# Altium PCB Steezy60SMK.PcbDoc (part 1 of 3) (continued)
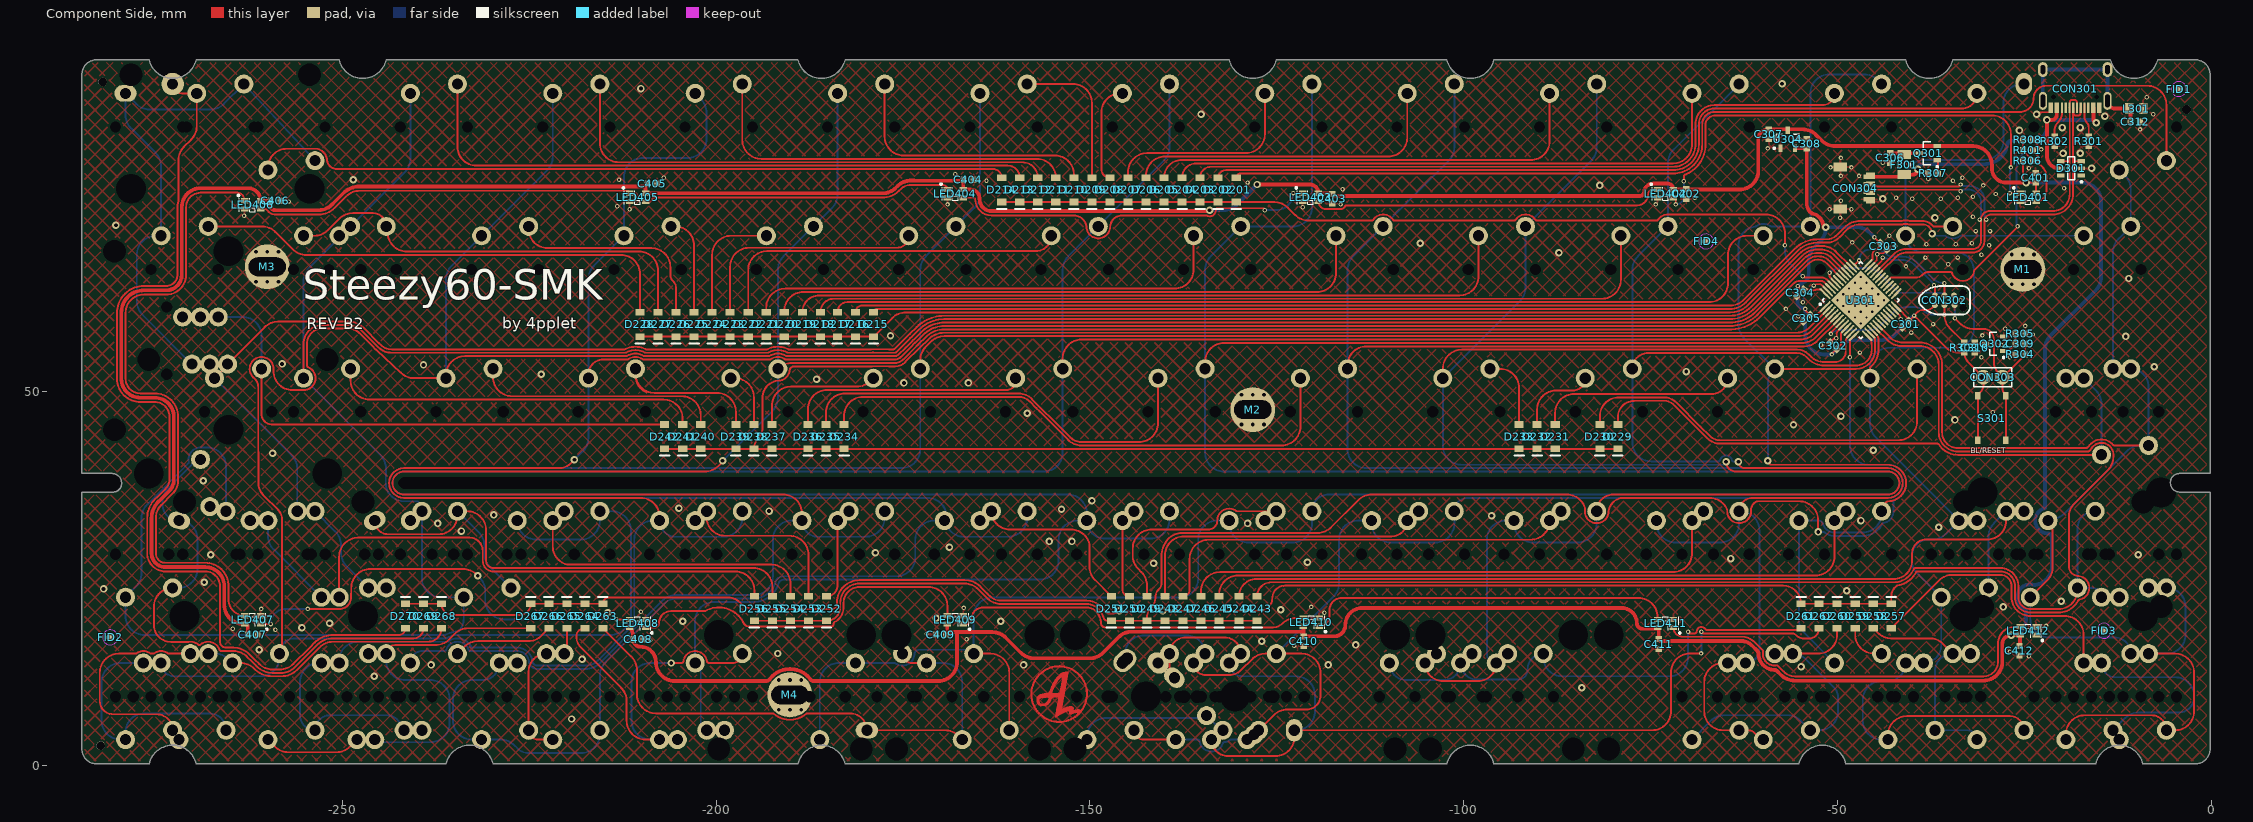
[diagram p0: Component Side view]
## Footprints (in the part's own frame and the unit in brackets; to place one, negate y for a bottom-side part, rotate by r counter-clockwise, add the part's x,y. Pads: shape width x height; smd on the part's side, far side on the other; paste and mask are expansions set on the pad) (continued)
FIDUCIAL_NORDIC [mm]
  round 1 smd paste+0 mask+0.5: 0(0,0)
  Component Side keep-out circle w0.01: c0,0 r1
Fiducial_Nordic [mm]
  round 1 smd paste+0 mask+0.5: 0(0,0)
  Component Side keep-out circle w0.01: c0,0 r1
HDR1X2 [mm] "Connector; Header; 2 Position"
  round 2 hole 0.9 mask+0.102: 1(0,0) 2(2.54,0)
  silkscreen extent -1.27,-1.27 3.81,1.27
L0805 [mm] "based on Sunlord-GZ2012D101TF_C1015 datasheet"
  rect 1.16x1.47 smd: 1(-0.92,0) 2(0.92,0)
  body extent -1.15,-0.72 1.15,0.72, height 1.02
mounting_hole [mm]
  round 1 hole 0.5 paste+0 mask+0: 1(-1.5,-2) 1(-1.5,2) 1(0,-2) 1(0,2) 1(1.5,-2) 1(1.5,2)
  round 6 hole 2.5 slot 5 at 0 deg: 1(0,0)
R0603[1608] [mm] "Chip Resistor, 2-Leads, Body 1,57x0,80mm, IPC Medium Density"
  rect 0.8x0.85 smd: 1(-0.65,0) 2(0.65,0)
  body extent -0.83,-0.43 0.82,0.43, height 0.5
SMK-SWITCH [mm]
  round 2.54 hole 1.499 mask+0.102: 1(-3.15,5.75) 2(3.15,4.5)
  round 1 hole 1.5 unplated: ""(-4.5,0) ""(4.5,0)
  round 1 on Mech14: ""(0,0)
"SMK-SWITCH - 1.5U" [mm]
  round 2.54 hole 1.499 mask+0.102: 1(-3.15,5.75) 2(3.15,4.5)
  round 1 hole 1.5 unplated: ""(-4.5,0) ""(4.5,0)
  round 1 on Mech14: ""(0,0)
"SMK-SWITCH - BACKSPACE" [mm]
  round 2.54 hole 1.499 mask+0.102: 1(3.15,4.5) 2(-3.15,5.75)
  round 3 hole 1.499 mask+0.102: 1(6.375,5.75)
  oval 3x2.2 hole 1.499 mask+0.102: 2(12.675,4.5)
  round 1.524 hole 3.988 unplated: ""(-11.938,-8.255) ""(11.938,-8.255)
  round 1.524 hole 3.048 unplated: ""(-11.938,6.985) ""(11.938,6.985)
  round 1 hole 1.5 unplated: ""(-4.5,0) ""(4.5,0) ""(5.025,0) ""(14.025,0)
  round 1 on Mech14: ""(0,0) ""(9.525,0)
"SMK-SWITCH - CAPS - V2" [mm]
  round 2.54 hole 1.499 mask+0.102: 1(-1.613,-5.75) 1(0.769,4.5) 1(3.15,4.5) 2(-7.912,-4.5) 2(-5.531,5.75) 2(-3.15,5.75)
  round 1 hole 1.5 unplated: ""(-9.263,0) ""(-4.5,0) ""(-0.262,0) ""(4.5,0)
  round 1 on Mech14: ""(-4.763,0) ""(-2.381,0) ""(0,0)
"SMK-SWITCH - CRAZY SHIFT" [mm]
  round 2.54 hole 1.499 mask+0.102: 1(-10.294,-4.5) 1(-3.15,5.75) 2(-3.994,-5.75) 2(1.613,5.75) 2(3.15,4.5)
  oval 3x2.2 hole 1.499 rot 150 mask+0.102: 1(7.912,4.5)
  round 1 hole 1.5 unplated: ""(-11.644,0) ""(-4.5,0) ""(-2.644,0) ""(0.262,0) ""(4.5,0) ""(9.263,0)
  round 1 on Mech14: ""(-7.144,0) ""(0,0) ""(4.763,0)
"SMK-switch - Enter - rotated stab" [mm]
  round 2.54 hole 1.499 mask+0.102: 1(-3.15,5.75) 1(2.649,12.68) 1(5.03,12.68) 1(7.411,12.68) 2(1.399,6.38) 2(3.15,4.5) 2(3.78,6.38) 2(6.161,6.38)
  round 1.524 hole 3.988 unplated: ""(-11.938,-8.255) ""(1.275,-2.408) ""(1.275,21.468) ""(11.938,-8.255)
  round 1.524 hole 3.048 unplated: ""(-11.938,6.985) ""(11.938,6.985) ""(16.515,-2.408) ""(16.515,21.468)
  round 1 hole 1.5 unplated: ""(-4.5,0) ""(4.5,0) ""(9.53,5.03) ""(9.53,14.03)
  round 1 on Mech14: ""(0,0) ""(7.149,9.53) ""(9.53,9.53) ""(11.911,9.53)
"SMK-SWITCH - FN AND SHIFT" [mm]
  round 2.54 hole 1.499 mask+0.102: 1(3.15,4.5) 1(6.881,-12.675) 2(-3.15,5.75) 2(8.131,-6.375) 2(10.294,-5.75)
  oval 3x2.2 hole 1.499 rot 15 mask+0.102: 1(3.994,-4.5)
  round 1 hole 1.5 unplated: ""(-4.5,0) ""(2.644,0) ""(4.5,0) ""(11.644,0)
  round 1 on Mech14: ""(0,0) ""(2.381,-9.525) ""(7.144,0)
"SMK-SWITCH - L SPLIT SPACE" [mm]
  round 2.54 hole 1.499 mask+0.102: 1(-7.912,-4.5) 1(1.613,-4.5) 1(3.15,-5.75) 1(12.675,-5.75) 2(-3.15,-4.5) 2(-1.613,-5.75) 2(6.375,-4.5) 2(7.912,-5.75)
  round 1 hole 1.5 unplated: ""(-9.263,0) ""(-4.5,0) ""(-0.262,0) ""(0.262,0) ""(4.5,0) ""(5.025,0) ""(9.263,0) ""(14.025,0)
  round 1.524 hole 3.988 unplated: ""(-7.175,-8.255) ""(-2.413,-8.255)
  round 1.524 hole 3.048 unplated: ""(-7.175,6.985) ""(-2.413,6.985)
  round 1 on Mech14: ""(-4.763,0) ""(0,0) ""(4.763,0) ""(9.525,0)
"SMK-SWITCH - L_ALT" [mm]
  round 2.54 hole 1.499 mask+0.102: 1(-7.912,-4.5) 1(-5.531,5.75) 1(-3.15,5.75) 1(7.912,-5.75) 2(-1.613,-5.75) 2(0.769,4.5) 2(1.613,-4.5) 2(3.15,4.5)
  round 1 hole 1.5 unplated: ""(-9.263,0) ""(-6.881,0) ""(-4.5,0) ""(-0.262,0) ""(0.262,0) ""(2.119,0) ""(4.5,0) ""(9.263,0)
  round 1 on Mech14: ""(-4.763,0) ""(-2.381,0) ""(0,0) ""(4.763,0)
"SMK-SWITCH - L_CTRL" [mm]
  round 2.54 hole 1.499 mask+0.102: 1(-1.613,-5.75) 1(-0.769,-4.5) 1(0.769,4.5) 1(3.15,4.5) 2(-7.912,-4.5) 2(-5.531,5.75) 2(-3.15,5.75) 2(5.531,-5.75)
  round 1 hole 1.5 unplated: ""(-9.263,0) ""(-6.881,0) ""(-4.5,0) ""(-2.119,0) ""(-0.262,0) ""(2.119,0) ""(4.5,0) ""(6.881,0)
  round 1 on Mech14: ""(-4.763,0) ""(-2.381,0) ""(0,0) ""(2.381,0)
"SMK-SWITCH - L_WIN" [mm]
  round 2.54 hole 1.499 mask+0.102: 1(-6.375,-5.75) 1(-5.531,5.75) 1(-3.15,5.75) 1(-0.769,-4.5) 2(-12.675,-4.5) 2(0.769,4.5) 2(3.15,4.5) 2(5.531,-5.75)
  round 1 hole 1.5 unplated: ""(-14.025,0) ""(-6.881,0) ""(-5.025,0) ""(-4.5,0) ""(-2.119,0) ""(2.119,0) ""(4.5,0) ""(6.881,0)
  round 1 on Mech14: ""(-9.525,0) ""(-2.381,0) ""(0,0) ""(2.381,0)
"SMK-SWITCH - LEFT SHIFT" [mm]
  round 2.54 hole 1.499 mask+0.102: 1(-8.756,-5.75) 1(-6.375,-5.75) 1(-5.531,5.75) 1(-3.15,-4.5) 2(-15.056,-4.5) 2(-12.675,-4.5) 2(0.769,4.5) 2(3.15,-5.75)
  round 1 hole 1.5 unplated: ""(-16.406,0) ""(-14.025,0) ""(-7.406,0) ""(-6.881,0) ""(-5.025,0) ""(-4.5,0) ""(2.119,0) ""(4.5,0)
  round 1.524 hole 3.048 unplated: ""(-14.319,-6.985) ""(-11.938,6.985) ""(9.557,-6.985) ""(11.938,6.985)
  round 1.524 hole 3.988 unplated: ""(-14.319,8.255) ""(-11.938,-8.255) ""(9.557,8.255) ""(11.938,-8.255)
  round 1 on Mech14: ""(-11.906,0) ""(-9.525,0) ""(-2.381,0) ""(0,0)
"SMK-SWITCH - OFFSET" [mm]
  round 2.54 hole 1.499 mask+0.102: 1(-3.15,5.75) 1(-1.613,4.5) 2(-7.912,5.75) 2(3.15,4.5)
  round 1 hole 1.5 unplated: ""(-9.263,0) ""(-4.5,0) ""(-0.262,0) ""(4.5,0)
  round 1 on Mech14: ""(-4.763,0) ""(0,0)
"SMK-SWITCH - OFFSET-R" [mm]
  round 2.54 hole 1.499 mask+0.102: 1(-3.15,5.75) 1(7.912,4.5) 2(1.613,5.75) 2(3.15,4.5)
  round 1 hole 1.5 unplated: ""(-4.5,0) ""(0.262,0) ""(4.5,0) ""(9.263,0)
  round 1 on Mech14: ""(0,0) ""(4.763,0)
"SMK-SWITCH - R PN" [mm]
  round 2.54 hole 1.499 mask+0.102: 1(-5.531,5.75) 1(3.15,-5.75) 1(5.531,-5.75) 2(-3.15,-4.5) 2(-0.769,-4.5) 2(0.769,4.5)
  round 1 hole 1.5 unplated: ""(-6.881,0) ""(-4.5,0) ""(-2.119,0) ""(2.119,0) ""(4.5,0) ""(6.881,0)
  round 1 on Mech14: ""(-2.381,0) ""(0,0) ""(2.381,0)
"SMK-SWITCH - R SPLIT SPACE" [mm]
  oval 3x2.2 hole 1.499 mask+0.102: 1(-15.9,4.5)
  round 2.54 hole 1.499 mask+0.102: 1(-11.138,-5.75) 1(-7.912,-4.5) 1(-3.15,5.75) 2(-22.2,5.75) 2(-17.437,-4.5) 2(-1.613,-5.75) 2(3.15,4.5)
  round 1 hole 1.5 unplated: ""(-23.55,0) ""(-18.788,0) ""(-14.55,0) ""(-9.787,0) ""(-9.263,0) ""(-4.5,0) ""(-0.262,0) ""(4.5,0)
  round 1 on Mech14: ""(-19.05,0) ""(-14.287,0) ""(-9.525,0) ""(-4.763,0) ""(0,0) ""(0,0)
  round 1.524 hole 3.988 unplated: ""(-11.938,-8.255) ""(7.175,-8.255) ""(11.938,-8.255)
  round 1.524 hole 3.048 unplated: ""(-11.938,6.985) ""(7.175,6.985) ""(11.938,6.985)
"SMK-SWITCH - R_ALT" [mm]
  round 2.54 hole 1.499 mask+0.102: 1(-3.15,5.75) 1(-1.613,-5.75) 1(-0.769,5.75) 1(1.613,-4.5) 2(-7.912,-4.5) 2(3.15,4.5) 2(5.531,4.5) 2(7.912,-5.75)
  round 1 hole 1.5 unplated: ""(-9.263,0) ""(-4.5,0) ""(-2.119,0) ""(-0.262,0) ""(0.262,0) ""(4.5,0) ""(6.881,0) ""(9.263,0)
  round 1 on Mech14: ""(-4.763,0) ""(0,0) ""(2.381,0) ""(4.763,0)
"SMK-SWITCH - R_CTRL" [mm]
  round 2.54 hole 1.499 mask+0.102: 1(-6.375,4.5) 1(-3.15,5.75) 1(-0.769,5.75) 1(0.769,-5.75) 1(1.613,-4.5) 2(-12.675,5.75) 2(-5.531,-4.5) 2(3.15,4.5) 2(5.531,4.5) 2(7.912,-5.75)
  round 1 hole 1.5 unplated: ""(-14.025,0) ""(-6.881,0) ""(-5.025,0) ""(-4.5,0) ""(-2.119,0) ""(0.262,0) ""(2.119,0) ""(4.5,0) ""(6.881,0) ""(9.263,0)
  round 1 on Mech14: ""(-9.525,0) ""(-2.381,0) ""(0,0) ""(2.381,0) ""(4.763,0)
"SMK-SWITCH - R_WIN" [mm]
  round 2.54 hole 1.499 mask+0.102: 1(-3.15,5.75) 1(-1.613,-5.75) 1(-0.769,5.75) 1(0.769,-5.75) 1(12.675,-5.75) 2(-7.912,-4.5) 2(-5.531,-4.5) 2(3.15,4.5) 2(5.531,4.5) 2(6.375,-4.5)
  round 1 hole 1.5 unplated: ""(-9.263,0) ""(-6.881,0) ""(-4.5,0) ""(-2.119,0) ""(-0.262,0) ""(2.119,0) ""(4.5,0) ""(5.025,0) ""(6.881,0) ""(14.025,0)
  round 1 on Mech14: ""(-4.763,0) ""(-2.381,0) ""(0,0) ""(2.381,0) ""(9.525,0)
"SMK-SWITCH - RIGHT SHIFT" [mm]
  round 2.54 hole 1.499 mask+0.102: 1(-8.756,-5.75) 1(-6.375,-5.75) 1(0.769,4.5) 1(3.15,4.5) 2(-15.056,-4.5) 2(-12.675,-4.5) 2(-5.531,5.75) 2(-3.15,5.75)
  round 1 hole 1.5 unplated: ""(-14.025,0) ""(-6.881,0) ""(-5.025,0) ""(-4.5,0) ""(2.119,0) ""(4.5,0)
  round 1.524 hole 3.988 unplated: ""(-11.938,-8.255) ""(11.938,-8.255)
  round 1.524 hole 3.048 unplated: ""(-11.938,6.985) ""(11.938,6.985)
  round 1 on Mech14: ""(-11.906,0) ""(-9.525,0) ""(-2.381,0) ""(0,0)
"SMK-SWITCH - SMALLEROFFSET-R" [mm]
  round 2.54 hole 1.499 mask+0.102: 1(3.15,4.5) 1(5.531,-5.75) 1(7.912,-5.75) 2(-3.15,5.75) 2(-0.769,-4.5) 2(1.613,-4.5)
  round 1 hole 1.5 unplated: ""(-4.5,0) ""(-2.119,0) ""(0.262,0) ""(4.5,0) ""(6.881,0) ""(9.263,0)
  round 1 on Mech14: ""(0,0) ""(2.381,0) ""(4.763,0)
"SMK-SWITCH - SPACE" [mm]
  oval 2.2x3 hole 1.499 mask+0.102: 1(-19.826,-4.5)
  round 2.54 hole 1.499 mask+0.102: 1(-12.675,5.75) 1(-11.145,4.5) 1(-10.286,-4.5) 1(-8.764,-5.75) 1(-8.104,-2.54) 1(-3.15,5.75) 1(7.898,-5.75) 2(-17.445,5.75) 2(-15.064,-4.5) 2(-14.454,-5.08) 2(-13.526,-5.75) 2(-7.898,5.75) 2(-6.375,4.5) 2(-3.986,-5.75) 2(1.598,-4.5)
  oval 3x2.2 hole 1.499 rot 45 mask+0.102: 1(-3.81,2.54)
  oval 3x2.54 hole 1.499 rot 45 mask+0.102: 1(-1.598,4.5)
  oval 3.3x2.54 hole 1.499 slot 2.4 at 135 deg rot 135 mask+0.102: 2(2.825,4.825)
  round 1.524 hole 3.048 unplated: ""(-61.91,-6.985) ""(-57.15,-6.985) ""(38.09,-6.985) ""(57.15,-6.985)
  round 1.524 hole 3.988 unplated: ""(-61.91,8.255) ""(-57.15,8.255) ""(38.09,8.255) ""(57.15,8.255)
  round 1 hole 1.5 unplated: ""(-21.176,0) ""(-18.795,0) ""(-16.414,0) ""(-14.025,0) ""(-12.176,0) ""(-11.636,0) ""(-9.795,0) ""(-9.248,0) ""(-7.414,0) ""(-4.5,0) ""(-2.636,0) ""(4.5,0) ""(9.248,0)
  round 1 hole 1.702 unplated: ""(-16.994,0) ""(-6.834,0) ""(-5.08,0) ""(5.08,0)
  round 1 on Mech14: ""(-16.676,0) ""(-14.295,0) ""(-11.914,0) ""(-9.525,0) ""(-7.136,0) ""(-4.748,0) ""(0,0) ""(4.748,0)
  round 1 hole 3.988 unplated: ""(-11.914,0) ""(0,0)
"SMK-switch - switched polarity"#1 [mm]
  round 2.54 hole 1.5 mask+0.102: 1(3.15,4.5) 2(-3.15,5.75)
  round 1 hole 1.5 unplated: ""(-4.5,0) ""(4.5,0)
  round 1 on Mech14: ""(0,0)
"SMK-switch - switched polarity"#2 [mm]
  round 2.54 hole 1.499 mask+0.102: 1(3.15,4.5)
  oval 2.2x3 hole 1.499 mask+0.102: 2(-3.15,5.75)
  round 1 hole 1.5 unplated: ""(-4.5,0) ""(4.5,0)
  round 1 on Mech14: ""(0,0)
"SMK-switch - switched polarity"#3 [mm]
  round 2.54 hole 1.499 mask+0.102: 1(3.15,4.5) 2(-3.15,5.75)
  round 1 hole 1.5 unplated: ""(-4.5,0) ""(4.5,0)
  round 1 on Mech14: ""(0,0)
SOD-123 [mm]
  rect 0.91x1.22 smd: 1(1.635,0) 2(-1.635,0)
  silkscreen extent -2.54,-0.64 -2.54,0.63, body extent -1.87,-0.85 1.88,0.85, height 1.2
SOT-23-3 [mm] "3.3v regulator, used in Windsond S2 proto 1"
  rect 1x0.55 smd: 1(1.2,-0.95) 2(1.2,0.95) 3(-1.2,0)
  silkscreen extent -0.7,-1.95 1.33,1.55, body extent -1.1,-1.5 1.45,1.5, height 1
SOT-23-6 [mm]
  rect 1x0.55 smd: 1(1.375,-0.95) 2(1.375,0) 3(1.375,0.95) 4(-1.375,0.95) 5(-1.375,0) 6(-1.375,-0.95)
  silkscreen extent -0.46,-1.92 1.5,1.55, body extent -1.47,-1.49 1.37,1.44, height 1.05
"STM32 - COMBO 7X7MM" [mm] "LQFP48, 7x7mm"
  oval 0.3x1.45 smd paste-5: 1(-2.75,-4.225) 2(-2.25,-4.225) 3(-1.75,-4.225) 4(-1.25,-4.225) 5(-0.75,-4.225) 6(-0.25,-4.225) 7(0.25,-4.225) 8(0.75,-4.225) 9(1.25,-4.225) 10(1.75,-4.225) 11(2.25,-4.225) 12(2.75,-4.225) 25(2.75,4.225) 26(2.25,4.225) 27(1.75,4.225) 28(1.25,4.225) 29(0.75,4.225) 30(0.25,4.225) 31(-0.25,4.225) 32(-0.75,4.225) 33(-1.25,4.225) 34(-1.75,4.225) 35(-2.25,4.225) 36(-2.75,4.225)
  oval 0.25x0.8 smd: 1(-2.75,-3.4) 2(-2.25,-3.4) 3(-1.75,-3.4) 4(-1.25,-3.4) 5(-0.75,-3.4) 6(-0.25,-3.4) 7(0.25,-3.4) 8(0.75,-3.4) 9(1.25,-3.4) 10(1.75,-3.4) 11(2.25,-3.4) 12(2.75,-3.4) 25(2.75,3.4) 26(2.25,3.4) 27(1.75,3.4) 28(1.25,3.4) 29(0.75,3.4) 30(0.25,3.4) 31(-0.25,3.4) 32(-0.75,3.4) 33(-1.25,3.4) 34(-1.75,3.4) 35(-2.25,3.4) 36(-2.75,3.4)
  oval 0.8x0.25 smd: 13(3.4,-2.75) 14(3.4,-2.25) 15(3.4,-1.75) 16(3.4,-1.25) 17(3.4,-0.75) 18(3.4,-0.25) 19(3.4,0.25) 20(3.4,0.75) 21(3.4,1.25) 22(3.4,1.75) 23(3.4,2.25) 24(3.4,2.75) 37(-3.4,2.75) 38(-3.4,2.25) 39(-3.4,1.75) 40(-3.4,1.25) 41(-3.4,0.75) 42(-3.4,0.25) 43(-3.4,-0.25) 44(-3.4,-0.75) 45(-3.4,-1.25) 46(-3.4,-1.75) 47(-3.4,-2.25) 48(-3.4,-2.75)
  oval 1.45x0.3 smd paste-5: 13(4.225,-2.75) 14(4.225,-2.25) 15(4.225,-1.75) 16(4.225,-1.25) 17(4.225,-0.75) 18(4.225,-0.25) 19(4.225,0.25) 20(4.225,0.75) 21(4.225,1.25) 22(4.225,1.75) 23(4.225,2.25) 24(4.225,2.75) 37(-4.225,2.75) 38(-4.225,2.25) 39(-4.225,1.75) 40(-4.225,1.25) 41(-4.225,0.75) 42(-4.225,0.25) 43(-4.225,-0.25) 44(-4.225,-0.75) 45(-4.225,-1.25) 46(-4.225,-1.75) 47(-4.225,-2.25) 48(-4.225,-2.75)
  rect 5.6x5.6 smd: 47(0,0)
  silkscreen extent -3.65,-4.35 3.65,3.65, body extent -3.52,-3.52 3.52,3.52, height 0.5
TC2030-IDC-NL [mm] "Tag-Connect 6-Pin with No Legs (PN# TC2030-IDC-NL)"
  round 0.9 hole 0.995 unplated: 0(-2.54,0) 0(2.54,-1.016) 0(2.54,1.016)
  round 0.79 smd paste-0.39: 1(-1.27,-0.635) 2(-1.27,0.635) 3(0,-0.635) 4(0,0.635) 5(1.35,-0.635) 6(1.27,0.635)
  silkscreen extent -3.43,-1.91 3.43,1.9
TYPE-C-31-M-12 [mm]
  rect 0.6x1.45 smd: A1B12(-3.25,0) A4B9(-2.45,0) B1A12(3.25,0) B4A9(2.45,0)
  rect 0.3x1.45 smd: A5(-1.25,0) A6(-0.25,0) A7(0.25,0) A8(1.25,0) B5(1.75,0) B6(0.75,0) B7(-0.75,0) B8(-1.75,0)
  oval 1.1x2.4 / inner oval 1.3x2.4 / far side oval 1.3x2.4 hole 0.6 slot 1.7 at 90 deg: S1(-4.32,-0.915) S1(4.32,-0.915)
  oval 1.3x2 hole 0.6 slot 1.2 at 90 deg: S1(-4.32,-5.095) S1(4.32,-5.095)
  round 0 hole 0.65 unplated: ""(-2.89,-1.445) ""(2.89,-1.445)
  body extent -4.47,-7.72 4.47,0.18, height 3.21
UDB_combo_JST_MOLEX [mm]
  rect 0.6x1.2 smd: 1(-1.8,2.2) 2(-0.6,2.2) 3(0.6,2.2) 4(1.8,2.2)
  rect 0.6x1.55 smd: 1(-1.5,2.021) 2(-0.5,2.021) 3(0.5,2.021) 4(1.5,2.021)
  rect 0.85x1 smd: 5(-2.94,-1.887) 5(2.94,-1.887)
  rect 1.2x1.8 smd: 5(-2.8,-1.854) 5(2.8,-1.854)
  body extent -3.01,-2.62 2.99,2.33, height 2.96
"WS2812B - 2020" [mm]
  rect 1x0.7 smd: 1(1.065,0.55) 2(-1.065,0.55) 3(-1.065,-0.55) 4(1.065,-0.55)
  silkscreen extent -2.03,-0.89 0.38,1.39, body extent -1.1,-1 1.1,1, height 0.86
"XKB Switch" [mm] "XKB Enterprise TS-1187A-C-D-B"
  rect 1x0.75 smd: 1(-3,1.875) 1(3,1.875) 2(-3,-1.875) 2(3,-1.875)
  body extent -3.25,-2.55 3.25,2.55, height 2

## Part data
C301 C302 C303 C304 C305 C312 C401 C402 C403 C404 C405 C406 C407 C408 C409 C410 C411 C412: library part Cap, "Capacitor", LCSC MFG=YAGEO, LCSC Part #=C14663, MRF.Part=CC0603KRX7R9BB104, Version="0603 imperial"
  C401 C402 C403 C404 C405 C406 C407 C408 C409 C410 C411 C412: MFG=KEMET, MFGPN=C0603C104M5RACTU
C306 C309: library part Cap, "Capacitor", LCSC MFG="Samsung Electro-Mechanics", LCSC Part #=C19666, MRF.Part=CL10A475KO8NNNC, Version="0603 imperial"
C307 C308: library part Cap, "Capacitor", LCSC MFG="Samsung Electro-Mechanics", LCSC Part #=C15849, MRF.Part=CL10A105KB8NNNC, Version="0603 imperial"
C310: library part Cap, "Capacitor", LCSC MFG="Samsung Electro-Mechanics", LCSC Part #=C1623, MRF.Part=CL10B474KA8NNNC, Version="0603 imperial"
CON301: LCSC MFG="Korean Hroparts Elec", LCSC Part #=C165948, MRF.Part=TYPE-C-31-M-12
CON302: library part "Header 3X2", "Header, 3-Pin, Dual row"
CON303: "Header, 2-Pin"
CON304: "JST for USB daughter board", LCSC MFG="JST Sales America", LCSC Part #=C160404, MRF.Part=SM04B-SRSS-TB(LF)(SN)
D201 D202 D203 D204 D205 D206 D207 D208 D209 D210 D211 D212 D213 D214 D215 D216 D217 D218 D219 D220 D221 D222 D223 D224 D225 D226 D227 D228 D229 D230 D231 D232 D233 D234 D235 D236 D237 D238 D239 D240 D241 D242 D243 D244 D245 D246 D247 D248 D249 D250 D251 D252 D253 D254 D255 D256 D257 D258 D259 D260 D261 D262 D263 D264 D265 D266 D267 D268 D269 D270: "Default Diode", LCSC MFG=Semtech, LCSC Part #=C81598, MRF.Part=1N4148W, Version=SOD-123
D301: LCSC MFG="ProTek Devices", LCSC Part #=C85364, MRF.Part=SRV05-4-P-T7
F301: "Thermal Fuse", LCSC MFG="Shenzhen JDT Fuse", LCSC Part #=C135338, MRF.Part=ASMD1206-050
L301: LCSC MFG=Sunlord, LCSC Part #=C1015, MRF.Part=GZ2012D101TF, Version="0806 imperial"
LED401 LED402 LED403 LED404 LED405 LED406 LED407 LED408 LED409 LED410 LED411 LED412: LCSC MFG=XINGLIGHT, LCSC Part #=C3646929, MRF.Part=XL-0807RGBC-WS2812B
Q301: "P-Channel Power MOSFET", LCSC MFG="Vishay Intertech", LCSC Part #=C10487, MRF.Part=SI2301CDS-T1-GE3, Version=SOT23-3
Q302: library part MOSFET-N, "N-Channel MOSFET", LCSC MFG="Changjiang Electronics Tech (CJ)", LCSC Part #=C8545, MRF.Part=2N7002
R301 R302: "Resistor", LCSC MFG="Uniroyal Elec", LCSC Part #=C23186, MRF.Part=0603WAF5101T5E, Version="0603 imperial"
R303 R304 R306 R307: "Resistor", LCSC MFG="Uniroyal Elec", LCSC Part #=C25804, MRF.Part=0603WAF1002T5E, Version="0603 imperial"
R305: "Resistor", LCSC MFG="Uniroyal Elec", LCSC Part #=C25803, MRF.Part=0603WAF1003T5E, Version="0603 imperial"
R308: "Resistor", LCSC MFG="UNI-ROYAL(Uniroyal Elec)", LCSC Part #=C23179, MRF.Part=0603WAF4700T5E, Version="0603 imperial"
R401: "Resistor", LCSC MFG="Uniroyal Elec", LCSC Part #=C23179, MFG="Panasonic Electronic Components", MFGPN=ERJ-3EKF5101V, MRF.Part=0603WAF4700T5E, Version="0603 imperial"
S201 S202 S203 S204 S205 S206 S207 S208 S209 S210 S211 S212 S213 S214 S216 S217 S218 S219 S220 S221 S222 S223 S224 S225 S226 S227 S228 S229 S230 S231 S232 S233 S234 S235 S236 S237 S238 S239 S240 S241 S242 S243 S244 S245 S246 S247 S248 S249 S250 S251 S252 S253 S254 S255 S256 S257 S258 S259 S260 S261 S262 S263 S264 S265 S266 S267 S268 S269 S270: library part SW-PB, "Switch"
S215: library part SW-PB, "TAB"
S301: "Switch", LCSC MFG="XKB Enterprise", LCSC Part #=C318888, MRF.Part=TS-1187A-C-D-B
U301: LCSC MFG=Geehy, LCSC Part #=C915660, MRF.Part=APM32F072CBT6
U304: library part "SOT23 LDO", LCSC MFG="Torex Semicon", LCSC Part #=C5446, MRF.Part=XC6206P332MR

## Free pads (board coordinates)
  round 1.152 hole 1.152 unplated paste+0.148 mask+0.148: ""(-282.321,2.667) ""(-282.067,91.44) ""(-3.302,87.757)
  round 0 hole 1.5 slot 200 at 0 deg unplated mask+0.15: ""(-142.5,37.79)

## Via types
v1: diameter 0.6, hole 0.3, Component Side to Bottom Layer, tented both sides, 127 vias
v2: diameter 1, hole 0.5, Component Side to Bottom Layer, tented both sides, 99 vias
v3: diameter 0.6, hole 0.3, Component Side to Bottom Layer, tented bottom, 25 vias

## Nets (pads, with @x,y where several pads share a name; then routed paths per layer and width w, separated by ;. In a path a pad name is that pad's centre, name@x,y a point inside that pad or via, vN(x,y) a via of type N, cw(c..) or ccw(c..) an arc to the next point about the centre after c; other vN are vias at no path point)
BOOT0: C309.1 CON303.1 R304.1 S301.2 U301.44 | length 48.3
  Component Side w0.254: v1(-51.052,65.912) -51.052,65.458 ccw(c-50.826,65.458) -50.986,65.299 ; -50.986,65.299 -50.408,64.721 U301.44@-50.408,64.708 ; v1(-34.29,59.817) -33.637,59.164 ccw(c-31.841,60.96) -31.841,58.42 -30.48,58.42 cw(c-30.48,57.023) -30.022,58.343 cw(c-30.48,57.023) -29.16,57.481 cw(c-30.48,57.023) -29.083,57.023 -29.083,54.138 ccw(c-26.543,54.138) -28.339,52.342 CON303.1@-27.94,51.943 ; S301.2@-27.462,43.482 S301.2@-27.462,49.482 cw(c-26.308,50.636) -27.774,49.919 cw(c-26.308,50.636) -27.94,50.636 CON303.1@-27.94,51.943 ; C309.1@-24.881,56.416 -24.881,54.995 R304.1@-24.877,54.991 -24.877,54.966 -27.277,52.566 -27.317,52.566 CON303.1@-27.94,51.943
  Bottom Layer w0.254: v1(-51.052,65.912) cw(c-49.517,64.378) -49.517,66.548 -46.137,66.548 cw(c-46.137,64.008) -44.341,65.804 -41.783,63.246 -36.703,63.246 cw(c-36.703,60.833) -35.946,63.124 cw(c-36.703,60.833) -34.412,61.59 cw(c-36.703,60.833) -34.29,60.833 v1(-34.29,59.817)
col0: S201.2 S215.1 S229.2 S243.2 S257.2 U301.17 | length 189
  Component Side w0.254: U301.17@-44.433,58.733 -43.032,57.332 ccw(c-41.236,59.128) -41.236,56.588 -38.989,56.588 cw(c-38.989,53.594) -36.104,54.395 cw(c-38.989,53.594) -36.004,53.82 cw(c-38.535,53.612) -35.995,53.612 -35.995,44.559 ccw(c-33.909,44.559) -33.909,42.473 -16.734,42.473 ccw(c-16.736,42.727) -16.569,42.535 ccw(c-18.238,44.45) -16.442,42.654 -16.377,42.719 cw(c-14.681,41.565) -13.126,42.902 ccw(c-12.935,43.069) -12.936,42.815 S229.2@-8.381,42.815 ; S243.2@-24.206,22.515 -21.953,24.768 ccw(c-23.749,26.564) -21.209,26.564 -21.209,31.278 ccw(c-23.312,31.278) S243.2@-21.825,32.765 S243.2@-20.812,32.765 ; S257.2@-19.444,3.465 -19.444,4.191 cw(c-16.904,4.191) -16.904,6.731 -8.016,6.731 cw(c-8.016,4.715) S257.2@-6,4.715 -4.826,4.715 ccw(c-4.826,7.255) -2.286,7.255 -2.286,12.425 ccw(c-4.826,12.425) -4.826,14.965 S257.2@-8.381,14.965 ; S243.2@-8.381,23.765 S243.2@-6,23.765
  Bottom Layer w0.254: S243.2@-24.206,22.515 -24.206,19.685 ccw(c-21.666,19.685) -21.666,17.145 -12.942,17.145 cw(c-12.942,14.965) S257.2@-10.763,14.965 ; S243.2@-21.569,32.997 -21.395,32.997 ccw(c-21.395,35.537) -19.599,33.741 -11.269,42.071 cw(c-9.473,40.275) -9.473,42.815 S229.2@-8.381,42.815 -8.381,50.684 ccw(c-10.763,50.684) S229.2@-10.763,53.065 ; S229.2@-13.144,53.065 -13.144,68.682 cw(c-10.604,68.682) -12.4,70.478 S215.1@-10.763,72.115 -10.763,77.075 ccw(c-13.303,77.075) -11.506,78.871 S201.2@-12.3,79.665 ; S257.2@-8.381,14.965 -5.969,14.965 ccw(c-5.969,17.505) -3.429,17.505 -3.429,21.225 ccw(c-5.969,21.225) -5.969,23.765 S243.2@-6,23.765 ; S257.2@-6.239,4.715 S257.2@-6,4.715
col1: S202.2 S216.2 S230.2 S244.2 S258.2 U301.15 | length 167.9
  Component Side w0.254: S230.2@-45.637,51.815 -45.637,53.145 cw(c-45.383,53.144) -45.55,53.336 ccw(c-47.503,55.605) -44.509,55.605 -44.509,57.037 ccw(c-45.217,57.037) -44.526,57.19 ccw(c-45.217,57.037) -44.642,57.45 cw(c-44.435,57.597) -44.661,57.481 ccw(c-45.087,57.266) -44.751,57.605 -44.923,57.776 cw(c-44.742,57.955) -44.944,57.801 ccw(c-46.662,56.504) -45.123,58.009 ccw(c-46.662,56.504) U301.15@-45.14,58.026 ; S258.2@-43.256,3.465 -43.256,4.064 cw(c-40.716,4.064) -40.716,6.604 -26.939,6.604 cw(c-26.939,4.715) S258.2@-25.05,4.715 ; S258.2@-40.443,14.005 S258.2@-38.092,14.005
  Bottom Layer w0.254: S258.2@-43.256,3.465 -44.069,3.465 cw(c-44.069,6.005) -45.851,4.195 cw(c-44.069,6.005) -45.879,4.223 cw(c-44.069,6.005) -46.609,6.005 -46.609,8.763 cw(c-44.069,8.763) -44.069,11.303 -43.286,11.303 ccw(c-43.286,13.715) S258.2@-40.874,13.715 S258.2@-40.132,14.457 ; -39.501,25.904 cw(c-38.285,27.12) -40.005,27.12 -40.005,28.067 cw(c-37.846,28.067) -37.846,30.226 -37.322,30.226 ccw(c-37.322,32.766) -35.526,30.97 S244.2@-33.731,32.765 -44.894,43.928 cw(c-43.097,45.724) -45.637,45.724 -45.637,49.488 S230.2@-45.637,51.815 -45.637,53.34 cw(c-43.097,53.34) -43.097,55.88 -34.29,55.88 ccw(c-34.29,58.42) -31.75,58.42 -31.75,66.167 ccw(c-34.29,66.167) -34.29,68.707 -38.717,68.707 cw(c-38.717,70.865) S216.2@-40.875,70.865 -40.875,78.486 cw(c-38.335,78.486) -38.335,81.026 -30.353,81.026 ccw(c-30.353,83.566) -27.813,83.566 -27.813,88.625 cw(c-25.273,88.625) -25.273,91.165 S202.2@-25.05,91.165 ; -39.501,25.904 S244.2@-36.112,22.515 -36.112,16.096 cw(c-38.493,16.096) S258.2@-38.493,13.715
col2: S203.2 S217.2 S231.2 S245.2 S259.2 U301.14 | length 150
  Component Side w0.254: v2(-59.309,40.767) ccw(c-58.771,40.767) -58.771,40.229 -43.25,40.229 cw(c-43.25,37.79) -43.235,35.351 ccw(c-43.25,37.79) -42.331,35.531 ; S231.2@-58.388,53.065 -47.503,53.065 ccw(c-47.503,55.605) -44.963,55.605 -44.963,57.037 ccw(c-45.217,57.037) -44.997,57.164 ccw(c-45.217,57.037) -45.037,57.216 -45.087,57.266 U301.14@-45.493,57.673 ; S245.2@-44.1,34.015 cw(c-42.584,34.015) -43.363,35.315 cw(c-43.233,35.097) -43.236,35.351
  Bottom Layer w0.254: v2(-59.309,40.767) -59.309,51.091 cw(c-56.769,51.091) -58.565,52.887 S231.2@-58.388,53.065 -62.502,57.18 cw(c-60.706,58.976) -63.246,58.976 -63.246,69.575 cw(c-60.706,69.575) -61,72.098 ccw(c-61.03,72.35) -60.878,72.146 cw(c-59.925,70.865) -58.994,72.163 ccw(c-58.846,72.369) -58.846,72.115 S217.2@-53.625,72.115 -53.625,89.916 cw(c-51.085,89.916) -51.085,92.456 -46.443,92.456 cw(c-46.443,89.916) -44.647,91.712 S203.2@-44.1,91.165 ; -51.857,32.112 cw(c-50.4,32.765) -51.961,32.427 ; -50.42,31.168 ccw(c-50.421,30.914) -50.423,31.168 cw(c-50.4,32.765) -50.838,31.229 cw(c-50.4,32.765) -50.839,31.23 cw(c-50.4,32.765) -51.194,31.379 cw(c-50.4,32.765) -51.961,32.428 ; -50.418,31.168 ccw(c-50.4,32.765) -50.381,31.168 cw(c-50.378,30.914) -50.38,31.168 cw(c-50.378,30.914) -50.377,31.168 -46.64,31.168 ccw(c-46.64,33.708) -44.1,33.708 S245.2@-44.1,34.015 ; S259.2@-50.4,13.715 -54.418,17.733 cw(c-52.622,19.529) -55.162,19.529 S245.2@-55.162,32.765 -52.51,32.765 cw(c-52.51,32.112) -52.36,32.747 cw(c-52.51,32.112) -52.016,32.539 cw(c-52.209,32.374) -51.961,32.428
col3: S204.2 S218.2 S232.2 S246.2 S260.2 U301.13 | length 211.9
  Component Side w0.254: S232.2@-77.438,53.065 cw(c-75.331,53.065) -75.331,55.172 -55.381,55.172 cw(c-55.381,53.458) -54.168,54.669 -53.896,54.397 ccw(c-51.778,56.513) -51.778,53.519 -47.503,53.519 ccw(c-47.503,55.605) -46.078,54.082 ccw(c-46.253,54.266) -46.074,54.086 -46.07,54.09 cw(c-45.891,53.91) -46.065,54.095 -46.047,54.112 ccw(c-46.221,54.297) -46.044,54.114 ccw(c-47.503,55.605) -45.417,55.605 -45.417,56.282 ccw(c-46.884,56.282) -45.44,56.54 ccw(c-46.884,56.282) U301.13@-45.847,57.318 ; S260.2@-64.687,13.715 -65.278,13.715 ccw(c-65.278,11.175) -67.818,11.175 -67.818,7.255 ccw(c-65.278,7.255) -65.278,4.715 S260.2@-63.15,4.715 -61.951,4.715 cw(c-61.951,3.465) -60.701,3.465 S260.2@-59.924,3.465 ; v2(-63.246,40.64) ccw(c-62.381,40.64) -62.381,39.775 -43.25,39.775 cw(c-43.25,37.79) -43.25,35.805 -61.36,35.805 ccw(c-61.36,34.015) S246.2@-63.15,34.015
  Bottom Layer w0.254: S246.2@-74.212,32.765 -74.212,32.385 ccw(c-71.672,32.385) -71.672,29.845 -65.69,29.845 ccw(c-65.69,32.385) -63.15,32.385 S246.2@-63.15,34.015 -62.992,34.015 cw(c-62.992,31.475) -60.452,31.475 -60.452,15.569 cw(c-62.306,15.569) S260.2@-62.306,13.715 ; v2(-63.246,40.64) -63.846,40.64 cw(c-63.846,40.894) -64.093,40.834 ccw(c-64.897,40.64) -65.692,40.867 cw(c-65.936,40.937) -65.936,40.683 -66.548,40.683 -74.898,40.683 cw(c-74.898,43.223) -77.438,43.223 S232.2@-77.438,53.065 -77.438,66.3 cw(c-74.898,66.3) -76.694,68.096 S218.2@-72.675,72.115 -72.675,80.588 cw(c-70.135,80.588) -71.931,82.384 S204.2@-63.15,91.165
col4: S205.2 S219.2 S233.2 S247.2 S261.2 U301.11 | length 275.2
  Component Side w0.254: S261.2@-105.168,13.715 ccw(c-102.756,13.715) -102.756,11.303 -98.055,11.303 ccw(c-98.055,13.715) S261.2@-95.643,13.715 ; S233.2@-102.787,51.815 -102.787,53.086 cw(c-100.247,53.086) -100.247,55.626 -55.381,55.626 cw(c-55.381,53.458) -53.848,54.991 -53.574,54.717 ccw(c-51.778,56.513) -51.778,53.973 -50.294,53.973 ccw(c-50.294,55.372) -49.604,54.155 ccw(c-50.294,55.372) -49.077,54.682 ccw(c-50.294,55.372) -48.895,55.372 -48.895,56.769 cw(c-48.183,56.769) -48.759,57.187 cw(c-48.183,56.769) -48.687,57.272 U301.11@-48.287,57.673 ; S247.2@-82.2,34.015 cw(c-79.956,34.015) -79.956,36.259 -43.25,36.259 ccw(c-43.25,37.79) -43.25,39.321 -63.578,39.321 cw(c-63.578,40.64) v2(-64.897,40.64)
  Bottom Layer w0.254: S261.2@-95.977,14.048 S261.2@-95.643,13.715 cw(c-95.643,14.973) -96.901,14.973 -96.901,30.225 cw(c-94.361,30.225) -94.361,32.765 S247.2@-93.262,32.765 -93.262,32.385 ccw(c-90.722,32.385) -90.722,29.845 -84.74,29.845 ccw(c-84.74,32.385) -82.2,32.385 S247.2@-82.2,34.015 ; S205.2@-82.2,91.165 -82.2,82.692 cw(c-84.74,82.692) -82.944,80.896 S219.2@-91.725,72.115 -91.725,63.93 cw(c-94.265,63.93) -92.469,62.134 S233.2@-102.787,51.815 -102.787,42.769 ccw(c-100.247,42.769) -100.247,40.229 -66.167,40.229 -65.176,40.229 ccw(c-65.176,40.483) -64.935,40.404 ccw(c-65.659,40.64) v2(-64.897,40.64)
col5: S206.2 S220.2 S234.2 S248.2 S262.2 U301.6 | length 368.9
  Component Side w0.254: S262.2@-144.097,4.715 ccw(c-142.847,4.715) -142.847,3.465 S262.2@-138.513,3.465 ; S262.2@-136.124,13.715 ccw(c-134.527,13.715) -134.527,12.118 -131.354,12.118 ccw(c-131.354,14.391) -129.747,12.784 -128.31,14.221 cw(c-126.514,12.425) -126.514,14.965 S262.2@-125.055,14.965 -121.679,14.965 cw(c-121.679,12.425) -119.139,12.425 -119.139,9.397 cw(c-121.043,9.397) -121.043,7.493 -123.606,7.493 ccw(c-123.606,4.953) -125.402,6.749 S262.2@-127.436,4.715 ; S262.2@-128.973,3.107 S262.2@-128.973,3.465 ; S234.2@-115.538,53.065 -115.538,53.537 cw(c-112.998,53.537) -112.998,56.077 -108.077,56.077 -101.981,56.077 -101.6,56.077 ccw(c-101.6,56.531) -101.558,56.079 cw(c-101.535,55.826) -101.534,56.08 -54.467,56.08 ccw(c-54.467,58.62) -52.671,56.824 U301.6@-50.054,59.44
  Bottom Layer w0.254: S262.2@-145.324,14.04 -145.324,14.859 cw(c-142.784,14.859) -142.784,17.399 -137.036,17.399 cw(c-137.036,14.965) S262.2@-134.602,14.965 ; S262.2@-138.513,3.465 -135.57,3.465 cw(c-135.569,3.211) -135.318,3.246 ccw(c-133.736,3.465) -133.736,1.868 ccw(c-133.736,3.465) -132.221,2.959 cw(c-131.98,2.879) -132.012,3.131 ccw(c-132.213,4.715) -131.282,3.417 cw(c-131.134,3.211) -131.133,3.465 S262.2@-128.973,3.465 ; S262.2@-125.055,14.965 -117.403,22.617 ; -117.403,22.617 ccw(c-119.199,24.413) -116.659,24.413 -116.659,30.225 cw(c-114.119,30.225) -114.119,32.765 S248.2@-112.312,32.765 -112.312,32.385 ccw(c-109.772,32.385) -109.772,29.845 -103.79,29.845 ccw(c-103.79,32.385) -101.25,32.385 S248.2@-101.25,34.015 cw(c-99.46,34.015) -99.46,35.805 -43.25,35.805 ccw(c-43.25,37.79) -41.267,37.883 ccw(c-43.25,37.79) -43.25,39.775 -112.998,39.775 cw(c-112.998,42.315) -115.538,42.315 S234.2@-115.538,53.065 -115.538,66.3 cw(c-112.998,66.3) -114.794,68.096 S220.2@-110.775,72.115 -101.994,80.896 ccw(c-103.79,82.692) -101.25,82.692 S206.2@-101.25,91.165 ; S248.2@-112.156,33.259 -111.987,33.09 S248.2@-111.807,32.91
col6: S207.2 S221.2 S235.2 S249.2 S263.2 U301.5 | length 433.8
  Component Side w0.254: S263.2@-181.368,13.715 ccw(c-178.829,13.715) S263.2@-181.307,13.159 ; S263.2@-165.543,14.965 -163.321,14.965 cw(c-163.321,12.425) -160.781,12.425 S263.2@-160.781,4.715 ; S235.2@-134.588,53.065 -134.588,53.991 cw(c-132.048,53.991) -132.048,56.531 -101.6,56.531 -101.6,56.534 -54.72,56.534 ccw(c-54.72,59.074) -52.924,57.278 U301.5@-50.408,59.794
  Bottom Layer w0.254: S263.2@-186.131,3.465 -186.131,11.175 cw(c-183.591,11.175) -183.591,13.715 -181.864,13.715 ccw(c-181.637,13.715) S263.2@-181.637,13.488 ; S263.2@-181.368,13.715 -176.148,13.715 cw(c-176.147,13.461) -175.999,13.667 ccw(c-175.068,14.965) -175.634,13.472 ; -175.725,13.488 cw(c-175.723,13.234) -175.634,13.472 ; -174.522,13.464 ccw(c-175.068,14.965) -173.478,14.815 ccw(c-175.068,14.965) -173.473,14.892 cw(c-173.219,14.881) -173.473,14.894 cw(c-173.219,14.881) -173.47,14.921 cw(c-172.799,14.815) -172.799,15.494 -166.072,15.494 cw(c-166.072,14.965) S263.2@-165.543,14.965 -165.543,19.939 cw(c-163.003,19.939) -163.003,22.479 -138.049,22.479 ccw(c-138.049,25.019) -135.509,25.019 -135.509,30.225 cw(c-132.969,30.225) -132.969,32.765 S249.2@-131.362,32.765 -131.362,32.385 ccw(c-128.822,32.385) -128.822,29.845 -122.84,29.845 ccw(c-122.84,32.385) -120.3,32.385 S249.2@-120.3,34.015 cw(c-118.056,34.015) -118.056,36.259 -43.25,36.259 ccw(c-43.25,37.79) -43.25,39.321 -132.048,39.321 cw(c-132.048,41.861) -134.588,41.861 S235.2@-134.588,53.065 -134.588,66.3 cw(c-132.048,66.3) -133.844,68.096 S221.2@-129.825,72.115 -122.84,72.115 ccw(c-122.84,74.655) -120.3,74.655 S207.2@-120.3,91.165 ; -174.441,13.496 cw(c-175.068,14.965) -175.634,13.472